# Altium PCB LoRaBoard1_2.PcbDoc (part 1 of 2)
Units mm, origin at the board's own origin, x right, y up, seen from the top; angles counter-clockwise.
Board outline 66.5 x 92 mm, 2 copper layers (Top Layer, Bottom Layer), stack 1.56 mm thick; 125 components, 104 nets, 452 pads, 339 vias.
Unrouted connection lines stored in the file: 86.
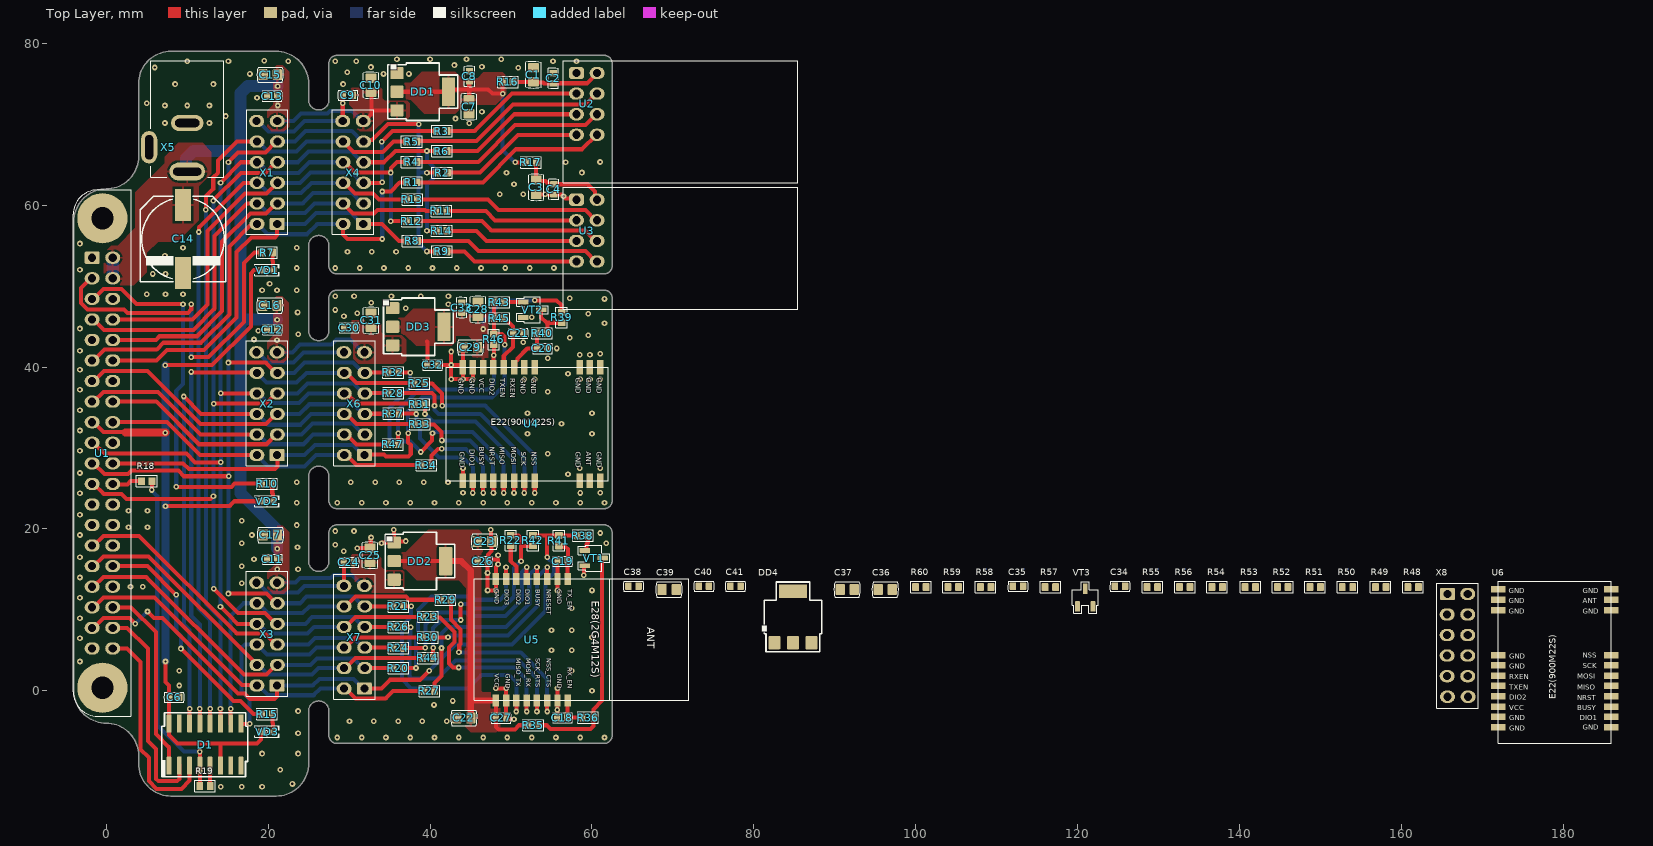
[diagram p0: Top Layer view]
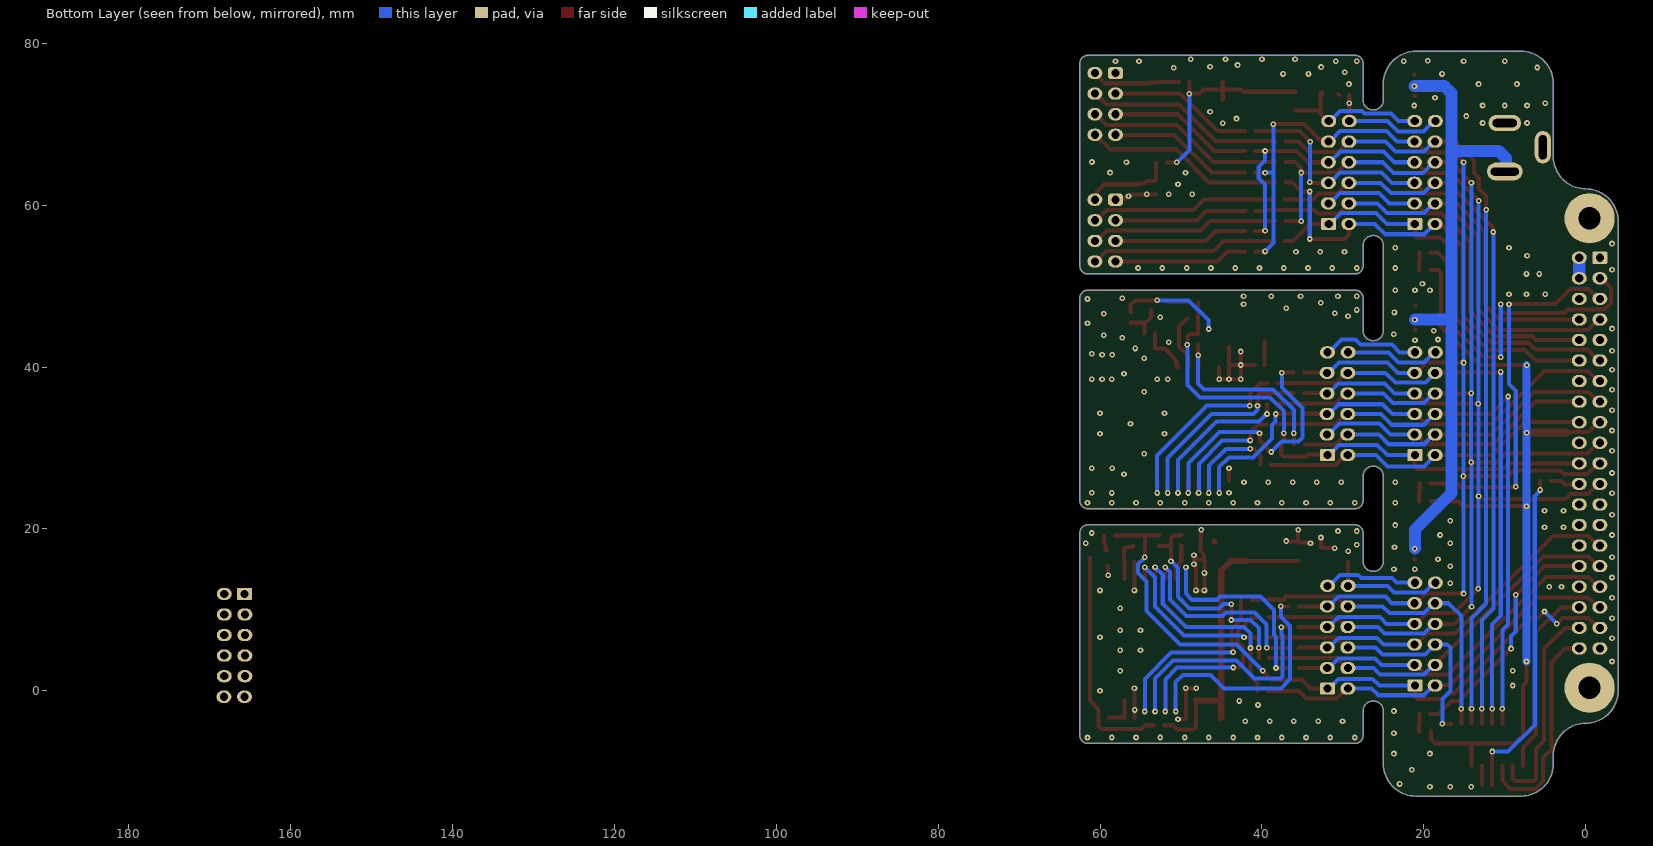
[diagram p1: Bottom Layer view, seen from below]

## Layer stack, top to bottom
Top Solder: solder mask 0.01, Solder Resist, Dk 3.5
Top Layer: signal copper 0.035
Dielectric 1: core 1.49, Core-043, Dk 4.3
Bottom Layer: signal copper 0.035
Bottom Solder: solder mask 0.01, Solder Resist, Dk 3.5

## Board outline
4,-9 4,-8 ccw(c0,-8) 0,-4 cw(c0,0) -4,0 -4,58 cw(c0,58) 0,62 ccw(c-0.005,66.005) 4,66.01 4,75 cw(c8,75) 8,79 21,79 cw(c21,75) 25,75 25,73 ccw(c26.25,73) 27.5,73 27.5,77.5 cw(c28.5,77.5) 28.5,78.5 61.5,78.5 cw(c61.5,77.5) 62.5,77.5 62.5,52.5 cw(c61.5,52.5) 61.5,51.5 28.5,51.5 cw(c28.5,52.5) 27.5,52.5 27.5,55 ccw(c26.25,55) 25,55 25,44.5 ccw(c26.25,44.5) 27.5,44.5 27.5,48.5 cw(c28.5,48.5) 28.5,49.5 61.5,49.5 cw(c61.5,48.5) 62.5,48.5 62.5,23.5 cw(c61.5,23.5) 61.5,22.5 28.5,22.5 cw(c28.5,23.5) 27.5,23.5 27.5,26.505 ccw(c26.25,26.503) 25,26.5 25,16 ccw(c26.25,16) 27.5,16 27.5,15.985 27.5,19.5 cw(c28.5,19.5) 28.5,20.5 61.5,20.5 cw(c61.5,19.5) 62.5,19.5 62.5,-5.5 cw(c61.5,-5.5) 61.5,-6.5 28.5,-6.5 cw(c28.5,-5.5) 27.5,-5.5 27.5,-2.5 ccw(c26.25,-2.5) 25,-2.5 25,-9 cw(c21,-9) 21,-13 8,-13 cw(c8,-9)

## Design rules (kind name [scope] priority, off if disabled: settings)
Clearance [All] p1: gap=0.2 ignorepadtopadclearanceinfootprint=FALSE except(0: Arc-Hole Track-Hole SMDPad-Hole THPad-Hole Via-Hole Fill-Hole Poly-Hole Region-Hole Text-Hole)
ComponentClearance [All] p1 off: gap=0.254 collisioncheckmode=3 verticalgap=0.254 showdistances=FALSE
HoleToHoleClearance [All] p1: gap=0.2 allowstackedmicrovias=TRUE
MinimumSolderMaskSliver [All] p1: minsoldermaskwidth=0.15
NetAntennae [All] p1 off: netantennaetolerance=0
PasteMaskExpansion [All] p1: expansion=0.02
PolygonConnect [All] p1: thpad.connectstyle=Relief thpad.reliefconductorwidth=0.3 thpad.reliefentries=4 thpad.polygonreliefangle="90 Angle" thpad.airgapwidth=0.254 smdpad.connectstyle=Relief smdpad.reliefconductorwidth=0.3 smdpad.reliefentries=4 smdpad.polygonreliefangle="90 Angle" smdpad.airgapwidth=0.254 via.connectstyle=Direct via.reliefconductorwidth=0.254 via.reliefentries=4 via.polygonreliefangle="90 Angle" via.airgapwidth=0.254
RoutingVias [All] p1: holewidth=2 width=1.5 viastyle="Through Hole" minholewidth=0.3 minwidth=0.6 maxholewidth=0.75 maxwidth=6
SilkToSilkClearance [All] p1 off: silktosilkclearance=0.254
SilkToSolderMaskClearance [IsPad] p1 off: minsilkscreentomaskgap=0.254 clearancetoexposedcopper=TRUE
SolderMaskExpansion [All] p1: expansion=0.02 istentingtop=FALSE
Width [All] p1: maxlimit=2 minlimit=0.25 preferedwidth=0.4
23 further rules are at their usual default settings.

## Classes and differential pairs
component class LoRaBoard_3: C34 C35 C36 C37 C38 C39 C40 C41 DD4 R48 R49 R50 R51 R52 R53 R54 R55 R56 R57 R58 R59 R60 U6 VT3 X8
component class LoRaBoard_2: C18 C19 C20 C21 C22 C23 C24 C25 C26 C27 C28 C29 C30 C31 C33 DD2 DD3 R20 R21 R22 R23 R24 R25 R26 R27 R28 R29 R30 R31 R32 R33 R34 R35 R36 R37 R38 R39 R40 R41 R42 R43 R44 R45 R46 R47 U4 U5 VT1 VT2 X6 X7
component class LoRaBoard_1: C1 C2 C3 C4 C6 C7 C8 C9 C10 C11 C12 C13 C14 C15 C16 C17 D1 DD1 R1 R2 R3 R4 R5 R6 R7 R8 R9 R10 R11 R12 R13 R14 R15 R16 R17 R18 R19 U1 U2 U3 VD1 VD2 VD3 X1 X2 X3 X4 X5

## Components (designator, comment, footprint, x,y, rotation, side; value= is the part's Value field where it differs from the comment)
C1 "10мкФ" "CAP 0805" 52.763,76.101 r270 top
C2 "100nF" "CAP 0603_1608 RF" 55.218,75.676 r270 top
C3 "10мкФ" "CAP 0805" 53.113,62.201 r90 top
C4 "100nF" "CAP 0603_1608 RF" 55.294,61.952 r90 top
C6 "100nF" "CAP 0603_1608 RF" 8.387,-0.779 r180 top
C7 "10мкФ" "CAP 0805" 44.818,72.151 r90 top
C8 "100nF" "CAP 0603_1608 RF" 44.868,75.901 r270 top
C9 "100nF" "CAP 0603_1608 RF" 29.838,73.576 r0 top
C10 "10мкФ" "CAP 0805" 32.7,74.8 r270 top
C11 "100nF" "CAP 0603_1608 RF" 20.508,16.243 r0 top
C12 "100nF" "CAP 0603_1608 RF" 20.508,44.621 r0 top
C13 "100nF" "CAP 0603_1608 RF" 20.49,73.477 r0 top
C14 "330 мкФ" "CAP ALSMD ELEC 10.5x10.0 mm" 9.483,55.817 r270 top
C15 "10мкФ" "CAP 0805" 20.256,76.108 r0 top
C16 "10мкФ" "CAP 0805" 20.202,47.613 r0 top
C17 "10мкФ" "CAP 0805" 20.278,19.266 r0 top
C18 "100nF" "CAP 0603_1608 RF" 56.341,-3.327 r0 top
C19 "100nF" "CAP 0603_1608 RF" 56.366,15.998 r180 top
C20 "100nF" "CAP 0603_1608 RF" 53.877,42.294 r180 top
C21 "100nF" "CAP 0603_1608 RF" 50.877,44.169 r0 top
C22 "10мкФ" "CAP 0805" 44.175,-3.35 r0 top
C23 "10мкФ" "CAP 0805" 46.73,18.458 r180 top
C24 "100nF" "CAP 0603_1608 RF" 29.976,15.883 r0 top
C25 "10мкФ" "CAP 0805" 32.6,16.75 r270 top
C26 "100nF" "CAP 0603_1608 RF" 46.505,16.023 r180 top
C27 "100nF" "CAP 0603_1608 RF" 48.766,-3.352 r180 top
C28 "10мкФ" "CAP 0805" 45.912,47.119 r270 top
C29 "10мкФ" "CAP 0805" 44.977,42.444 r0 top
C30 "100nF" "CAP 0603_1608 RF" 29.997,44.859 r0 top
C31 "10мкФ" "CAP 0805" 32.722,45.759 r270 top
C32 "100nF" "CAP 0603_1608 RF" 40.302,40.25 r180 top
C33 "100nF" "CAP 0603_1608 RF" 43.932,47.344 r270 top
C34 "100nF" "CAP 0603_1608 RF" 125.23,12.92 r0 top
C35 "100nF" "CAP 0603_1608 RF" 112.63,12.92 r0 top
C36 "10мкФ" "CAP 0805" 96.23,12.52 r0 top
C37 "10мкФ" "CAP 0805" 91.53,12.52 r0 top
C38 "100nF" "CAP 0603_1608 RF" 65.13,12.92 r0 top
C39 "10мкФ" "CAP 0805" 69.53,12.52 r0 top
C40 "100nF" "CAP 0603_1608 RF" 73.83,12.92 r0 top
C41 "100nF" "CAP 0603_1608 RF" 77.73,12.92 r0 top
D1 "74HC138D" SO-16 12.202,-6.642 r0 top
DD1 "LM1117MPX-3.3" SOT223 39.096,74.001 r270 top
DD2 "LM1117MPX-3.3" SOT223 38.743,16.023 r270 top
DD3 "LM1117MPX-3.3" SOT223 38.552,44.969 r270 top
DD4 "LM1117MPX-3.3" SOT223 84.83,9.12 r0 top
R1 "100 Ом" "RES 0603_1608" 37.763,62.826 r180 top
R2 "100 Ом" "RES 0603_1608" 41.488,64.001 r180 top
R3 "100 Ом" "RES 0603_1608" 41.468,69.151 r0 top
R4 "100 Ом" "RES 0603_1608" 37.738,65.326 r180 top
R5 "100 Ом" "RES 0603_1608" 37.738,67.851 r0 top
R6 "100 Ом" "RES 0603_1608" 41.468,66.681 r180 top
R7 "470 Ом" "RES 0603_1608" 19.87,54.143 r0 top
R8 "100 Ом" "RES 0603_1608" 37.813,55.576 r180 top
R9 "100 Ом" "RES 0603_1608" 41.448,54.276 r180 top
R10 "470 Ом" "RES 0603_1608" 19.858,25.586 r0 top
R11 "100 Ом" "RES 0603_1608" 41.413,59.276 r0 top
R12 "100 Ом" "RES 0603_1608" 37.763,58.026 r180 top
R13 "100 Ом" "RES 0603_1608" 37.813,60.701 r0 top
R14 "100 Ом" "RES 0603_1608" 41.443,56.826 r180 top
R15 "470 Ом" "RES 0603_1608" 19.86,-2.877 r0 top
R16 "100 Ом" "RES 0603_1608" 49.613,75.226 r0 top
R17 "100 Ом" "RES 0603_1608" 52.463,65.276 r0 top
R18 "1 кОм" "RES 0603_1608" 5,25.9 r180 top
R19 "1 кОм" "RES 0603_1608" 12.202,-11.754 r0 top
R20 "100 Ом" "RES 0603_1608" 36.091,2.813 r180 top
R21 "100 Ом" "RES 0603_1608" 36.091,10.433 r0 top
R22 "100 Ом" "RES 0603_1608" 49.966,18.573 r90 top
R23 "100 Ом" "RES 0603_1608" 39.741,9.143 r0 top
R24 "100 Ом" "RES 0603_1608" 36.091,5.298 r180 top
R25 "100 Ом" "RES 0603_1608" 38.693,37.974 r180 top
R26 "100 Ом" "RES 0603_1608" 36.091,7.898 r0 top
R27 "100 Ом" "RES 0603_1608" 39.916,-0.018 r180 top
R28 "100 Ом" "RES 0603_1608" 35.479,36.789 r180 top
R29 "100 Ом" "RES 0603_1608" 41.918,11.248 r0 top
R30 "100 Ом" "RES 0603_1608" 39.741,6.603 r180 top
R31 "100 Ом" "RES 0603_1608" 38.718,35.399 r180 top
R32 "100 Ом" "RES 0603_1608" 35.454,39.329 r180 top
R33 "100 Ом" "RES 0603_1608" 38.743,32.924 r180 top
R34 "100 Ом" "RES 0603_1608" 39.552,27.869 r180 top
R35 "100 кОм" "RES 0603_1608" 52.75,-4.25 r0 top
R36 "100 Ом" "RES 0603_1608" 59.516,-3.304 r180 top
R37 "100 Ом" "RES 0603_1608" 35.479,34.249 r180 top
R38 "1 кОм" "RES 0603_1608" 58.866,19.173 r0 top
R39 "100 кОм" "RES 0603_1608" 56.256,46.119 r270 top
R40 "100 Ом" "RES 0603_1608" 53.852,44.169 r180 top
R41 "100 Ом" "RES 0603_1608" 55.916,18.548 r270 top
R42 "1 кОм" "RES 0603_1608" 52.716,18.573 r90 top
R43 "1 кОм" "RES 0603_1608" 48.567,47.994 r0 top
R44 "100 Ом" "RES 0603_1608" 39.741,4.063 r0 top
R45 "100 Ом" "RES 0603_1608" 48.567,46.019 r0 top
R46 "1 кОм" "RES 0603_1608" 47.877,43.419 r90 top
R47 "100 Ом" "RES 0603_1608" 35.404,30.444 r0 top
R48 "100 Ом" "RES 0603_1608" 161.429,12.82 r0 top
R49 "100 Ом" "RES 0603_1608" 157.429,12.82 r0 top
R50 "100 Ом" "RES 0603_1608" 153.33,12.82 r0 top
R51 "100 Ом" "RES 0603_1608" 149.33,12.82 r0 top
R52 "100 Ом" "RES 0603_1608" 145.33,12.82 r0 top
R53 "100 Ом" "RES 0603_1608" 141.33,12.82 r0 top
R54 "100 Ом" "RES 0603_1608" 137.23,12.82 r0 top
R55 "100 кОм" "RES 0603_1608" 129.23,12.82 r0 top
R56 "100 Ом" "RES 0603_1608" 133.23,12.82 r0 top
R57 "1 кОм" "RES 0603_1608" 116.63,12.82 r0 top
R58 "100 Ом" "RES 0603_1608" 108.63,12.82 r0 top
R59 "1 кОм" "RES 0603_1608" 104.63,12.82 r0 top
R60 "100 Ом" "RES 0603_1608" 100.63,12.82 r0 top
U1 "RASPBERRYPI3_B+" MODULE_RASPBERRYPI3_B+ -0.47,29.37 r270 top locked
U2 "NRF24L01P-MODULE-PCB" NRF24L01P-MODULE 73.376,70.636 r0 top
U3 "NRF24L01P-MODULE-PCB" NRF24L01P-MODULE 73.373,54.997 r0 top
U4 "E22-900M22S" "E22 900M22S" 61.022,39.969 r0 top
U5 "E28-2G4M20S" "E28 2G4M20S" 52.566,6.323 r0 top
U6 "E22-900M22S" "E22 900M22S" 171.929,12.52 r90 top
VD1 "LED SMD GREEN" "LED 0603_1608 GREEN" 19.87,51.978 r0 top value=GREEN
VD2 "LED SMD GREEN" "LED 0603_1608 GREEN" 19.858,23.421 r0 top value=GREEN
VD3 "LED SMD GREEN" "LED 0603_1608 GREEN" 19.86,-5.041 r0 top value=GREEN
VT1 "2N7002" SOT23-3 60.216,16.398 r270 top
VT2 "2N7002" SOT23-3 52.627,47.069 r270 top
VT3 "2N7002" SOT23-3 120.93,11.52 r0 top
X1 "PLD-12 (DS1021-2x6)" PLD_12_elipse 19.87,64.026 r180 top value=PLD-12
X2 "PLD-12 (DS1021-2x6)" PLD_12_elipse 19.858,35.469 r180 top value=PLD-12
X3 "PLD-12 (DS1021-2x6)" PLD_12_elipse 19.86,7.007 r180 top value=PLD-12
X4 "PLD-12 (DS1021-2x6)" PLD_12_elipse 30.503,64.026 r180 top value=PLD-12
X5 "DC-005-5A-2.5" DC-005-5A-2.5 10.004,70.143 r270 top
X6 "PLD-12 (DS1021-2x6)" PLD_12_elipse 30.652,35.469 r180 top value=PLD-12
X7 "PLD-12 (DS1021-2x6)" PLD_12_elipse 30.641,6.623 r180 top value=PLD-12
X8 "PLD-12 (DS1021-2x6)" PLD_12_elipse 166.929,5.62 r0 top value=PLD-12

## Footprints (in the part's own frame and the unit in brackets; to place one, negate y for a bottom-side part, rotate by r counter-clockwise, add the part's x,y. Pads: shape width x height; smd on the part's side, far side on the other; paste and mask are expansions set on the pad)
"CAP 0603_1608 RF" [mm] "Chip Capacitor, 2-Leads, Body 1.60x0.80mm, IPC High Density"
  rrect20% 0.8x0.9 smd: 1(-0.625,0) 2(0.625,0)
  silkscreen extent -1.26,-0.63 1.26,0.63, body extent -0.8,-0.41 0.8,0.41, height 0.82
"CAP 0805" [mm] "Chip Capacitor, 2-Leads, Body 2.00x1.20mm, IPC Medium Density"
  rrect20% 1.15x1.35 smd: 1(-0.875,0) 2(0.875,0)
  silkscreen extent -1.64,-0.95 1.64,0.95, body extent -1,-0.64 1,0.64, height 1.26
"CAP ALSMD ELEC 10.5x10.0 mm" [mm] "Electrolytic Cap, 10.3mm, L: 10mm"
  rect 4x2 smd: 1(-4.2,0) 2(4.2,0)
  silkscreen extent -5.3,-5.3 5.3,5.3, body extent -5.9,-5.25 5.9,5.25, height 10.5
DC-005-5A-2.5 [mm]
  oval 2.2x4.4 hole 1 slot 3.5 at 90 deg: 1(6,0)
  oval 2x4 hole 1 slot 3 at 90 deg: 2(0,0)
  oval 4x2 hole 1 slot 3 at 0 deg: 3(3,-4.7)
  silkscreen extent -7.7,-4.5 6.7,4.5, body extent -7.58,-4.85 7.02,4.5, height 11
"E22 900M22S" [mm] "20mm*14mm*2.8mm-S"
  rect 0.8x1.8 smd: 1(0,0) 2(-1.27,0) 3(-2.54,0) 4(-8.11,0) 5(-9.38,0) 6(-10.65,0) 7(-11.92,0) 8(-13.19,0) 9(-14.46,0) 10(-15.73,0) 11(-17,0) 12(-17,-14) 13(-15.73,-14) 14(-14.46,-14) 15(-13.19,-14) 16(-11.92,-14) 17(-10.65,-14) 18(-9.38,-14) 19(-8.11,-14) 20(-2.54,-14) 21(-1.27,-14) 22(0,-14)
  silkscreen extent -19,-14 1,0, body extent -19,-14 1,0, height 3.13
"E28 2G4M20S" [mm] "26.5mm*15mm*2.85mm-S"
  rect 0.8x1.5 smd: 1(-4.445,-7.5) 2(-3.175,-7.5) 3(-1.905,-7.5) 4(-0.635,-7.5) 5(0.635,-7.5) 6(1.905,-7.5) 7(3.175,-7.5) 8(4.445,-7.5) 9(4.445,7.5) 10(3.175,7.5) 11(1.905,7.5) 12(0.635,7.5) 13(-0.635,7.5) 14(-1.905,7.5) 15(-3.175,7.5) 16(-4.445,7.5)
  silkscreen extent -7.13,-7.5 19.37,7.5, body extent -7.14,-7.49 19.36,7.51, height 2.9
"LED 0603_1608 GREEN" [mm] "Chip Diode, 2-Leads, Body 1.60x0.80mm, IPC Medium Density"
  rrect20% 0.8x0.8 smd: 1(-0.75,0) 2(0.75,0)
  silkscreen extent -1.52,-0.7 1.52,0.7, body extent -0.8,-0.4 0.8,0.4, height 0.53
MODULE_RASPBERRYPI3_B+ [mm]
  rrect20% 1.5x1.85 hole 1: 1(-24.13,-1.27)
  oval 1.5x1.85 hole 1: 2(-24.13,1.27) 3(-21.59,-1.27) 4(-21.59,1.27) 5(-19.05,-1.27) 6(-19.05,1.27) 7(-16.51,-1.27) 8(-16.51,1.27) 9(-13.97,-1.27) 10(-13.97,1.27) 11(-11.43,-1.27) 12(-11.43,1.27) 13(-8.89,-1.27) 14(-8.89,1.27) 15(-6.35,-1.27) 16(-6.35,1.27) 17(-3.81,-1.27) 18(-3.81,1.27) 19(-1.27,-1.27) 20(-1.27,1.27) 21(1.27,-1.27) 22(1.27,1.27) 23(3.81,-1.27) 24(3.81,1.27) 25(6.35,-1.27) 26(6.35,1.27) 27(8.89,-1.27) 28(8.89,1.27) 29(11.43,-1.27) 30(11.43,1.27) 31(13.97,-1.27) 32(13.97,1.27) 33(16.51,-1.27) 34(16.51,1.27) 35(19.05,-1.27) 36(19.05,1.27) 37(21.59,-1.27) 38(21.59,1.27) 39(24.13,-1.27) 40(24.13,1.27)
  round 6.2 hole 2.75: S1(-29,0) S2(29,0)
  silkscreen extent -32.5,-3.6 32.5,3.5, body extent -35.01,-54.97 54.41,3.5, height 14
NRF24L01P-MODULE [mm]
  rrect50% 1.85x1.5 hole 1: 1(-15.284,5.669)
  oval 1.85x1.5 hole 1: 2(-12.745,5.669) 3(-15.284,3.129) 4(-12.745,3.129) 5(-15.284,0.589) 6(-12.745,0.589) 7(-15.284,-1.951) 8(-12.744,-1.951)
  silkscreen extent -16.95,-7.85 12.05,7.22, body extent -16.91,-7.83 12.09,7.17, height 3.52
PLD_12_elipse [mm]
  rrect20% 1.85x1.5 hole 1: 1(-1.25,6.35)
  oval 1.85x1.5 hole 1: 2(1.25,6.35) 3(-1.29,3.81) 4(1.25,3.81) 5(-1.29,1.27) 6(1.25,1.27) 7(-1.29,-1.27) 8(1.25,-1.27) 9(-1.29,-3.81) 10(1.25,-3.81) 11(-1.25,-6.35) 12(1.29,-6.35)
  silkscreen extent -2.56,-7.75 2.56,7.65, body extent -2.52,-7.62 2.56,7.62, height 8.7
"RES 0603_1608" [mm] "Chip Resistor, 2-Leads, Body 1.60x0.80mm, IPC Medium Density"
  rrect20% 0.85x0.95 smd: 1(-0.65,0) 2(0.65,0)
  silkscreen extent -1.27,-0.7 1.27,0.7, body extent -0.8,-0.4 0.8,0.4, height 0.45
SO-16 [mm] "Small Outline; 16 Leads; Body Width 3.9 mm; Pitch 1.27 mm"
  rrect20% 0.6x2.2 smd: 1(-4.445,-2.6) 2(-3.175,-2.6) 3(-1.905,-2.6) 4(-0.635,-2.6) 5(0.635,-2.6) 6(1.905,-2.6) 7(3.175,-2.6) 8(4.445,-2.6) 9(4.445,2.6) 10(3.175,2.6) 11(1.905,2.6) 12(0.635,2.6) 13(-0.635,2.6) 14(-1.905,2.6) 15(-3.175,2.6) 16(-4.445,2.6)
  silkscreen extent -5.35,-3.97 5.27,3.96, body extent -4.95,-3.05 5.05,3.15, height 1.64
SOT23-3 [mm]
  rrect20% 0.6x1.3 smd: 1(-0.95,-1.1) 2(0.95,-1.1) 3(0,1.1)
  silkscreen extent -1.6,-1.93 1.6,1.96, body extent -1.56,-1.25 1.56,1.25, height 1.1
SOT223 [mm]
  rrect20% 1.5x1.65 smd: 1(-2.3,-3.175) 2(0,-3.175) 3(2.3,-3.175)
  rrect10% 3.5x1.65 smd: 4(0,3.175)
  silkscreen extent -3.55,-4.3 3.55,4.33, body extent -3.35,-3.48 3.35,3.48, height 1.8

## Part data
C1 C3 C7 C10 C15 C16 C17 C22 C23 C25 C28 C29 C31 C36 C37 C39: library part Capacitor, "10мкФ X5R 16В 10% 0805, CC0805KKX5R7BB106", Part Number=CC0805KKX5R7BB106
C2 C4 C6 C8 C9 C11 C12 C13 C18 C19 C20 C21 C24 C26 C27 C30 C32 C33 C34 C35 C38 C40 C41: library part Capacitor, "CC0603JPX7R9BB104, 50V 100nF X7R 5% 0603", Part Number=CC0603JPX7R9BB104
C14: library part "CAP ALSMD ELEC", "ECAP SMD, 330 мкФ, 35 В, 105°C, 20% 10x10.5мм, JCK1V331M100105", Part Number="ECAP SMD, 330 мкФ, 35 В, 105°C, 20% 10x10.5мм, JCK1V331M100105"
D1: "3-to-8 line decoder/demultiplexer"
DD1 DD2 DD3 DD4: "800mA Low-Dropout Linear Regulator"
R1 R2 R3 R4 R5 R6 R8 R9 R11 R12 R13 R14 R16 R17 R20 R21 R22 R23 R24 R25 R26 R27 R28 R29 R30 R31 R32 R33 R34 R36 R37 R40 R41 R44 R45 R47 R48 R49 R50 R51 R52 R53 R54 R56 R58 R60: library part Resistor, "0.1Вт 0603 100 Ом, 5%, RC0603JR-07100RL", Part Number=RC0603JR-07100RL, Type=Резистор
R7 R10 R15: library part Resistor, "0.1Вт 0603 100 Ом, 5%, RC0603JR-07470RL", Part Number=RC0603JR-07470RL, Type=Резистор
R18 R19 R38 R42 R43 R46 R57 R59: library part Resistor, "0.1Вт 0603 1 кОм, 5%, RC0603JR-071KL", Part Number=RC0603JR-071KL, Type=Резистор
R35 R39 R55: library part Resistor, "0.1Вт 0603 100 кОм, 5%, RC0603JR-071KL", Part Number=RC0603JR-07100KL, Type=Резистор
U1: "1.4GHz 64-bit quad-core processor, dual-band wireless LAN, Bluetooth 4.2/BLE, faster Ethernet, and Power-over-Ethernet support (with separate PoE HAT)", Package=None, Availability=Unavailable, MF="Raspberry Pi Foundation (NF)", MP=RASPBERRYPI3_B+, Price=None, SnapEDA_Link=https://www.snapeda.com/parts/RASPBERRYPI4%204GB/Raspberry%20Pi/view-part/3832294/?ref=snap
U2 U3: "- Transceiver For Use With nRF24L01+", Package=None, Availability=Bad, MF="Nordic Semiconductor", Mouser-Purchase-URL=https://snapeda.com/shop?store=Mouser&id=230534, MP=NRF24L01P-MODULE-PCB, Price=None, SnapEDA_Link=https://www.snapeda.com/parts/NRF24L01P-MODULE-PCB/Nordic%20Semiconductor%20ASA/view-part/230534/?ref=snap
U4 U6: "E22-900M22S Ebyte -147dBm 22.3dBm 7km SPI SMD,14x20mm LoRa Modules", Manufacturer=EBYTE, Package=14x20mm, Temperature Range="-40…+85 °C", Number of Pins=22, Number of Rows=2, Part Number=E22-900M22S, Pitch=1.27
U5: "E28-2G4M20S Ebyte  -132dBm 21dBm 6km SPI SMD,15x26.5mm LoRa Modules", Manufacturer=EBYTE, Package=15x26.5mm, Temperature Range="-40…+85 °C", Number of Pins=16, Number of Rows=2, Part Number=E28-2G4M20S, Pitch=1.27
VT1 VT2 VT3: library part 2N7002ET1G, "MOSFET-N-60V-0.3A", Drain Current=0.3A, Drain Source Voltage=60V, Gate Source Voltage=±20V, Manufacturer="ON Semiconductor", On Drain Source Resistance=0.2Ohm, Package=SOT-23, Power Disspansion=0.5W, Temperature Range=-55…+150°C, Number of Channels=1, Part Number=2N7002ET1G, Polarity=N-Channel
X1 X2 X3 X4 X6 X7 X8: library part PLD-12, "2.54mm PIN Header 2X6P Straight Type H=2.5mm Full Gold Flash Plating.", Published=07.03.2013, Publisher="Andrew Danich", Type=Вилка
X5: "DC Power Receptacle Jack, Through Hole, Right Angle", MP=DC-005-5A-2.5

## Via types
v1: diameter 0.7, hole 0.3, Top Layer to Bottom Layer, tented both sides, 339 vias

## Nets (pads, with @x,y where several pads share a name; then routed paths per layer and width w, separated by ;. In a path a pad name is that pad's centre, name@x,y a point inside that pad or via, vN(x,y) a via of type N, cw(c..) or ccw(c..) an arc to the next point about the centre after c; other vN are vias at no path point)
3V3: C6.2 D1.6 D1.16 U1.17 VD1.1 VD2.1 VD3.1 | length 103.6
  Top Layer w0.5: U1.17@-1.74,33.18 -1.565,33.18 -0.365,31.98 2.32,31.98 2.4,31.9 ; v1(7.304,40.221) 13.067,40.221 17.865,45.02 17.865,51.576 18.268,51.978 VD1.1@19.12,51.978 ; v1(7.318,3.626) 7.318,1.096 7.762,0.652 7.762,-0.579 C6.2@7.762,-0.779 ; v1(7.318,22.813) 15.256,22.813 15.863,23.421 VD2.1@19.108,23.421 ; C6.2@7.757,-0.784 D1.16@7.757,-4.042 7.757,-5.482 8.775,-6.5 14.107,-6.5 18.642,-6.5 19.11,-6.032 VD3.1@19.11,-5.041 ; D1.6@14.107,-9.242 14.107,-6.6
  Top Layer w1: 2.4,31.9 v1(7.3,31.9)
  Bottom Layer w1: v1(7.304,40.221) 7.304,40.195 7.3,40.19 v1(7.3,31.9) 7.318,31.882 v1(7.318,3.626)
3V3_1: C1.2 C2.2 R16.2 U2.2 | length 11
  Top Layer w0.5: R16.2@50.263,75.226 C1.2@52.763,75.226 52.838,75.151 53.963,75.151 54.063,75.051 C2.2@55.218,75.051 55.418,75.051 59.377,75.051 U2.2@60.631,76.305
3V3_2: C3.2 C4.2 R17.2 U3.2 | length 11.1
  Top Layer w0.5: R17.2@53.113,65.276 C3.2@53.113,63.076 53.21,62.979 54.245,62.979 54.539,62.685 55.185,62.685 C4.2@55.294,62.577 59.462,62.577 60.353,61.686 60.353,60.942 U3.2@60.629,60.666
3V3_3: C28.2 C29.2 C32.2 C33.2 DD3.2 DD3.4 R39.1 U4.9 | length 15.8
  Top Layer w0.5: 39.613,43.17 39.677,43.107 C32.2@39.677,40.25 ; v1(52.912,48.244) 55.646,48.244 56.239,47.651 56.239,46.786 R39.1@56.256,46.769
  Bottom Layer w0.5: v1(46.587,44.694) 46.602,44.709 46.602,45.794 49.052,48.244 v1(52.912,48.244)
3V3_4: C22.2 C23.2 C26.2 C27.2 DD2.2 DD2.4 R35.1 U5.1 | length 38.8
  Top Layer w0.4: U5.1@48.121,-1.177 U5.1@48.131,-1.187
  Top Layer w0.5: DD2.2@35.568,16.023 DD2.4@41.918,16.023 ; U5.1@48.131,-1.187 48.131,-3.342 C27.2@48.141,-3.352 48.141,-4.457 48.434,-4.75 50.5,-4.75 51,-4.25 R35.1@52.1,-4.25
  Top Layer w0.75: DD2.4@41.918,16.023 43.868,16.023 45.025,14.867 45.025,-1.187 45.025,-3.325 C22.2@45.05,-3.35 ; 45.041,-1.187 U5.1@48.131,-1.187 ; C23.2@45.855,18.458 C23.2@45.868,18.446
3V3_5: C36.2 C37.2 C40.2 C41.2 DD4.2 DD4.4 R55.1 U6.9
5V0: C9.2 C10.2 C11.2 C12.2 C13.2 C14.1 C15.2 C16.2 C17.2 C24.2 C25.2 C30.2 C31.2 DD1.3 DD2.3 DD3.3 U1.2 U1.4 X1.11 X2.11 X3.11 X4.11 X5.1 X6.11 X7.11 | length 122.7
  Top Layer w0.5: C16.2@21.077,47.613 C16.2@21.088,47.602 ; v1@21.088,45.863 v1@21.116,45.835 ; X2.11@21.101,41.826 X2.11@21.108,41.819 ; v1@21.101,43.316 v1(21.094,43.323) v1@21.113,43.343 ; v1(21.108,15.03) v1@21.121,15.042 ; C12.2@21.113,44.602 C12.2@21.133,44.621 C12.2@21.116,44.638 ; X1.11@21.12,70.376 X1.11@21.144,70.4 ; C11.2@21.121,16.23 C11.2@21.133,16.243 C11.2@21.121,16.254 ; v1@21.121,17.558 v1(21.11,17.57) v1@21.131,17.592 ; C17.2@21.131,19.245 C17.2@21.153,19.266 ; C15.2@21.131,76.108 C15.2@21.146,76.093 ; C13.2@21.137,73.499 C13.2@21.115,73.477 C13.2@21.141,73.451 ; v1@21.137,74.679 v1(21.16,74.701) v1@21.146,74.716 ; v1@21.141,72.328 v1(21.167,72.302) v1@21.144,72.278 ; C9.2@30.463,73.576 30.463,73.6 C9.2@30.613,73.75 ; X4.11@31.753,70.376 31.888,70.376 32.788,71.276 32.788,71.651 ; C10.2@32.525,73.75 C10.2@32.7,73.925 32.788,73.837 32.788,71.651 ; DD1.3@35.921,71.701 32.838,71.701 32.788,71.651
  Bottom Layer w0.5: X2.11@21.108,41.819 22.994,41.819 23.944,42.769 27.798,42.769 28.425,43.396 30.15,43.396 31.727,41.819 X6.11@31.902,41.819 ; X3.11@21.11,13.357 23.357,13.357 23.925,13.925 27.727,13.925 28.127,14.325 30.364,14.325 31.716,12.973 X7.11@31.891,12.973 ; X1.11@21.12,70.376 23.128,70.376 24.063,71.312 27.312,71.312 27.625,71.625 30.329,71.625 31.578,70.376 X4.11@31.753,70.376
  Bottom Layer w1.5: U1.4@0.8,50.96 U1.2@0.8,53.5 ; X5.1@10.004,64.143 9.864,64.283 9.864,65.802 10.743,66.681 16.606,66.681 ; v1(21.099,45.852) 21.066,45.886 16.606,45.886 ; v1(21.11,17.57) 21.11,19.908 16.606,24.412 16.606,45.886 ; v1(21.16,74.701) 21.146,74.716 17.485,74.716 16.606,73.837 16.606,66.681 ; 16.606,45.886 16.606,66.681
5V0_5: C38.2 C39.2 DD4.3 X8.11
\C\S\3: D1.4 R18.1 R19.1 | length 41.1
  Top Layer w0.5: v1(5.618,24.813) 5.634,24.83 5.634,25.884 R18.1@5.65,25.9 ; v1(11.552,-7.5) 11.559,-7.508 11.559,-9.234 D1.4@11.567,-9.242 11.559,-9.249 11.559,-11.559 R19.1@11.6,-11.6
  Bottom Layer w0.5: v1(5.618,24.813) 5.618,24.759 6.3,24.077 6.3,-4.2 9.6,-7.5 v1(11.552,-7.5)
BUSY_1: R1.2 U1.11 X1.2 X4.2 | length 59.7
  Top Layer w0.5: U1.11@-1.74,40.8 -1.565,40.8 -0.225,42.14 6.24,42.14 7.1,43 11.7,43 15.2,46.5 15.2,54.9 17.785,57.485 18.428,57.485 X1.2@18.62,57.676 ; X4.2@29.253,57.676 29.253,56.342 29.778,55.817 v1(34.096,55.817) ; v1(34.096,61.684) 35.163,61.684 36.253,62.775 37.062,62.775 R1.2@37.113,62.826
  Bottom Layer w0.5: X1.2@18.62,57.676 19.895,56.401 24.792,56.401 26.067,57.676 X4.2@29.253,57.676 ; v1(34.096,55.817) v1(34.096,61.684)
BUSY_2: R8.2 U1.12 X1.1 X4.1 | length 50.9
  Top Layer w0.5: U1.12@0.8,40.8 6.2,40.8 7.5,42.1 12.095,42.1 16.087,46.092 16.087,54.187 17.92,56.02 20.827,56.02 21.12,56.313 X1.1@21.12,57.676 ; X4.1@31.753,57.676 34.04,57.676 36.14,55.576 R8.2@37.163,55.576
  Bottom Layer w0.5: X1.1@21.12,57.676 24.576,57.676 25.916,59.016 30.238,59.016 31.578,57.676 X4.1@31.753,57.676
BUSY_3: R34.2 U1.18 X2.2 X6.2 | length 41.5
  Top Layer w0.5: U1.18@0.8,33.18 7.52,33.18 11.581,29.119 X2.2@18.608,29.119 ; X6.2@29.402,29.119 29.677,29.119 30.927,27.869 R34.2@38.902,27.869
  Bottom Layer w0.5: X2.2@18.608,29.119 19.997,27.73 24.5,27.73 25.889,29.119 X6.2@29.402,29.119
BUSY_4: R27.2 U1.35 X3.2 X7.2 | length 47.7
  Top Layer w0.5: U1.35@-1.74,10.32 -1.565,10.32 -0.365,11.52 5.98,11.52 16.778,0.722 18.545,0.722 X3.2@18.61,0.657 ; X7.2@29.391,0.273 29.566,0.273 30.766,-0.927 34.525,-0.927 35.434,-0.018 R27.2@39.266,-0.018
  Bottom Layer w0.5: X3.2@18.61,0.657 18.785,0.657 19.985,-0.543 25.632,-0.543 26.448,0.273 X7.2@29.391,0.273
BUSY_5: R53.2 X8.2
C\S\_\1\: D1.11 R5.1 X1.10 X4.10 | length 97.2
  Top Layer w0.5: v1(12.303,59.424) 12.303,61.095 13.217,62.01 13.217,63.386 13.827,63.996 13.827,65.52 16.143,67.836 X1.10@18.62,67.836 ; D1.11@14.107,-4.042 v1(14.107,-2.2) ; X4.10@29.253,67.836 30.538,66.551 34.158,66.551 35.458,67.851 R5.1@37.088,67.851
  Bottom Layer w0.5: v1(12.303,59.424) 12.303,10.757 14.107,8.953 v1(14.107,-2.2) ; X1.10@18.62,67.836 18.795,67.836 19.995,66.636 23.528,66.636 24.728,67.836 X4.10@29.253,67.836
C\S\_\2\: D1.12 R13.1 X1.6 X4.6 | length 91.8
  Top Layer w0.5: v1(11.414,56.681) 11.452,56.719 11.452,57.263 16.945,62.756 X1.6@18.62,62.756 ; D1.12@12.837,-4.042 v1(12.837,-2.2) ; X4.6@29.253,62.756 29.428,62.756 30.733,61.451 32.938,61.451 33.688,60.701 R13.1@37.163,60.701
  Bottom Layer w0.5: v1(11.414,56.681) 11.414,10.148 12.837,8.725 v1(12.837,-2.2) ; X1.6@18.62,62.756 18.795,62.756 20.07,61.481 24.082,61.481 25.357,62.756 X4.6@29.253,62.756
C\S\_\3\: D1.13 R25.2 X2.10 X6.10 | length 73
  Top Layer w0.5: v1(10.499,39.393) 10.553,39.393 10.64,39.307 18.58,39.307 X2.10@18.608,39.279 ; D1.13@11.567,-4.042 v1(11.567,-2.2) ; X6.10@29.402,39.279 29.677,39.279 30.937,38.019 37.998,38.019 R25.2@38.043,37.974
  Bottom Layer w0.5: v1(10.499,39.393) 10.499,9.284 11.567,8.217 v1(11.567,-2.2) ; X2.10@18.608,39.279 18.608,39.25 19.779,38.079 23.522,38.079 24.722,39.279 X6.10@29.402,39.279
C\S\_\4\: D1.10 R29.1 X3.10 X7.10 | length 41.3
  Top Layer w0.5: D1.10@15.377,-4.042 v1(15.377,-2.2) ; X7.10@29.391,10.433 29.566,10.433 30.766,11.633 37.027,11.633 37.412,11.248 R29.1@41.268,11.248
  Bottom Layer w0.5: v1(15.377,-2.2) 15.377,9.259 16.935,10.817 X3.10@18.61,10.817 18.785,10.817 19.985,9.617 24.267,9.617 25.083,10.433 X7.10@29.391,10.433
C\S\_\5\: R48.2 X8.10
CE_1: R3.1 U1.8 X1.5 X4.5 | length 59.1
  Top Layer w0.5: U1.8@0.8,45.88 10.68,45.88 12.5,47.7 12.5,56.8 17.116,61.416 19.816,61.416 21.156,62.756 X1.5@21.16,62.756 ; X4.5@31.793,62.756 33.972,62.756 34.042,62.826 v1(34.096,62.826) ; v1(34.042,67.836) 34.042,67.84 35.353,69.151 R3.1@40.818,69.151
  Bottom Layer w0.5: X1.5@21.16,62.756 23.937,62.756 25.216,64.036 30.338,64.036 31.618,62.756 X4.5@31.793,62.756 ; v1(34.042,67.836) 34.069,67.809 34.069,62.853 v1(34.096,62.826)
CE_2: R11.1 U1.7 X1.4 X4.4 | length 55.8
  Top Layer w0.5: U1.7@-1.74,45.88 -1.565,45.88 -0.285,44.6 10.8,44.6 13.4,47.2 13.4,56.2 17.4,60.2 X1.4@17.9,60.2 ; X1.4@18.613,60.21 X1.4@18.62,60.216 ; X4.4@29.253,60.216 30.493,58.976 33.088,58.976 33.513,59.401 39.388,59.401 39.513,59.276 R11.1@40.763,59.276
  Bottom Layer w0.5: X1.4@18.62,60.216 18.795,60.216 19.995,59.016 24.544,59.016 25.744,60.216 X4.4@29.253,60.216
DI2_3: R46.1 R47.2 U4.8 | length 23.7
  Top Layer w0.5: v1(36.052,31.819) v1(36.052,31.819) R47.2@36.054,30.444 R47.2@36.054,30.444 ; U4.8@47.832,39.969 47.854,39.992 47.854,41.447 v1(47.877,41.469) R46.1@47.877,42.769
  Bottom Layer w0.5: v1(36.052,31.819) 36.052,34.676 38.625,37.25 47.15,37.25 47.877,37.977 v1(47.877,41.469)
DI2_4: R22.2 R42.1 R44.2 | length 27.4
  Top Layer w0.5: R44.2@40.391,4.063 v1(40.391,5.326) ; v1(43.775,8.75) v1(43.775,10.698) ; R22.2@49.966,19.223 50.162,19.223 50.191,19.194 50.948,19.194 51.241,18.902 51.241,17.898 ; v1(51.241,16.023) 51.241,17.898 ; R42.1@52.716,17.923 52.691,17.898 51.241,17.898
  Bottom Layer w0.5: v1(40.391,5.326) 40.391,7.753 41.388,8.75 v1(43.775,8.75) ; v1(43.775,10.698) 44.774,10.698 45.281,10.191 48.941,10.191 50.372,11.622 50.372,15.154 v1(51.241,16.023)
DI2_5: R59.1 R60.2 U6.8
DIO1_1: U1.10 X1.3 | length 44.1
  Top Layer w0.5: U1.10@0.8,43.34 6.14,43.34 6.6,43.8 11.2,43.8 14.3,46.9 14.3,55.478 17.798,58.976 19.744,58.976 20.985,60.216 X1.3@21.16,60.216
  Bottom Layer w0.5: X1.3@21.16,60.216 24.271,60.216 25.561,61.507 30.327,61.507 31.618,60.216 31.793,60.216
DIO1_3: R37.2 U1.13 X2.5 X6.5 | length 41.3
  Top Layer w0.5: U1.13@-1.7,38.1 -0.3,39.5 5.1,39.5 11.643,32.957 19.731,32.957 20.973,34.199 X2.5@21.148,34.199 ; X6.5@31.942,34.199 31.967,34.224 34.804,34.224 R37.2@34.829,34.249
  Bottom Layer w0.5: X2.5@21.148,34.199 23.877,34.199 25.077,35.399 30.567,35.399 31.767,34.199 X6.5@31.942,34.199
DIO1_4: R24.2 U1.29 X3.5 X7.5 | length 44.1
  Top Layer w0.5: U1.29@-1.74,17.94 -1.565,17.94 -0.365,19.14 4.06,19.14 16.123,7.077 19.635,7.077 20.975,5.737 X3.5@21.15,5.737 ; X7.5@31.931,5.353 31.958,5.326 35.438,5.326 R24.2@35.466,5.298
  Bottom Layer w0.5: X3.5@21.15,5.737 24.962,5.737 25.778,6.553 30.556,6.553 31.756,5.353 X7.5@31.931,5.353
DIO1_5: R54.2 X8.5
DIO2_3: R47.1 U1.15 X2.4 X6.4 | length 40.7
  Top Layer w0.5: U1.15@-1.74,35.72 -1.565,35.72 -0.365,36.92 6.38,36.92 11.641,31.659 X2.4@18.608,31.659 ; X6.4@29.402,31.659 29.677,31.659 30.902,30.434 33.331,30.434 33.341,30.444 R47.1@34.754,30.444
  Bottom Layer w0.5: X2.4@18.608,31.659 18.783,31.659 19.983,30.459 21.997,30.459 24.359,30.459 25.559,31.659 X6.4@29.402,31.659
DIO2_4: R44.1 U1.31 X3.4 X7.4 | length 48.3
  Top Layer w0.5: U1.31@-1.74,15.4 -1.565,15.4 -0.365,16.6 5.241,16.6 18.61,3.231 X3.4@18.61,3.197 ; X7.4@29.391,2.813 29.566,2.813 30.816,4.063 R44.1@39.116,4.063
  Bottom Layer w0.5: X3.4@18.61,3.197 18.785,3.197 19.985,1.997 25.422,1.997 26.238,2.813 X7.4@29.391,2.813
DIO2_5: R60.1 X8.4
DIO3_3: U1.16 X2.3 | length 34.9
  Top Layer w0.5: U1.16@0.8,35.72 6.18,35.72 11.441,30.459 19.773,30.459 20.973,31.659 X2.3@21.148,31.659
  Bottom Layer w0.5: X2.3@21.148,31.659 24.135,31.659 25.475,32.999 30.427,32.999 31.767,31.659 31.942,31.659
DIO3_4: R20.2 U1.33 X3.3 X7.3 | length 44
  Top Layer w0.5: U1.33@-1.74,12.86 -1.565,12.86 -0.365,14.06 4.94,14.06 17.003,1.997 19.775,1.997 20.975,3.197 X3.3@21.15,3.197 ; X7.3@31.931,2.813 R20.2@35.441,2.813
  Bottom Layer w0.5: X3.3@21.15,3.197 25.222,3.197 26.038,4.013 30.556,4.013 31.756,2.813 X7.3@31.931,2.813
EN_TX_3: R43.1 R45.1 R46.2 U1.22 X2.1 X6.1 | length 70.1
  Top Layer w0.5: U1.22@0.8,28.1 9.5,28.1 10.2,27.4 20.855,27.4 21.148,27.693 21.148,29.079 X2.1@21.108,29.119 ; X6.1@31.902,29.119 31.952,29.169 34.327,29.169 34.552,28.944 37.323,28.944 37.616,29.237 37.616,30.344 37.302,30.658 v1(37.302,31.819) ; R43.1@47.917,47.994 R45.1@47.917,46.019 47.897,45.999 47.897,44.089 R46.2@47.877,44.069 48.886,44.069 49.178,43.776 49.178,42.808 v1(49.217,42.769)
  Bottom Layer w0.5: X2.1@21.108,29.119 24.49,29.119 25.763,30.392 30.454,30.392 31.727,29.119 X6.1@31.902,29.119 ; v1(37.302,31.819) 37.302,34.545 39.007,36.25 47.663,36.25 49.217,37.804 v1(49.217,42.769)